# KiCad board ZVE.kicad_pcb
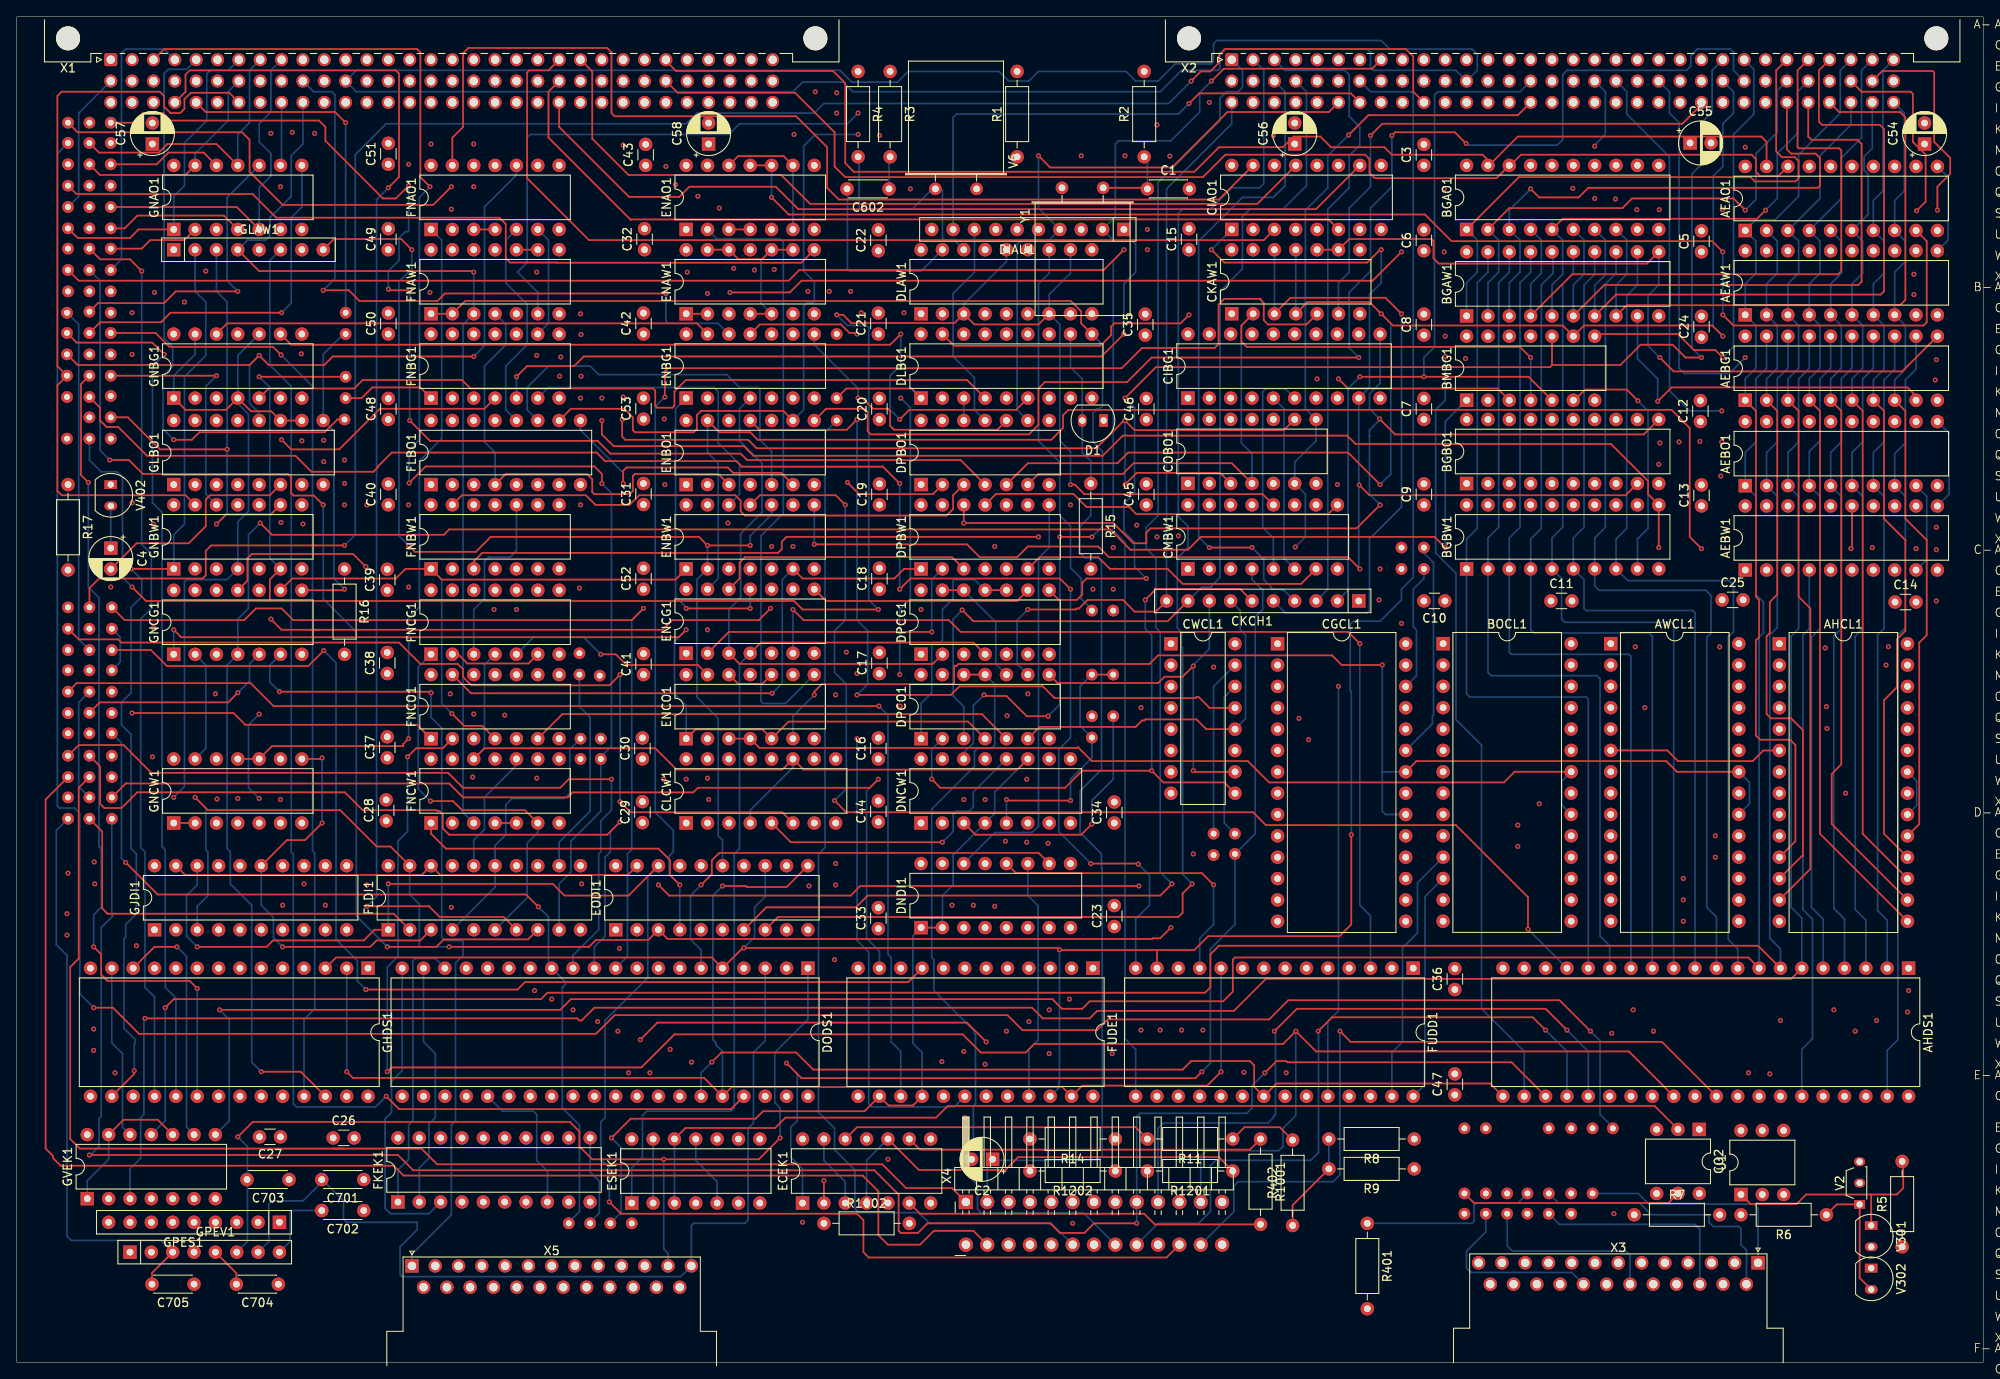
[diagram p0: board, top side]
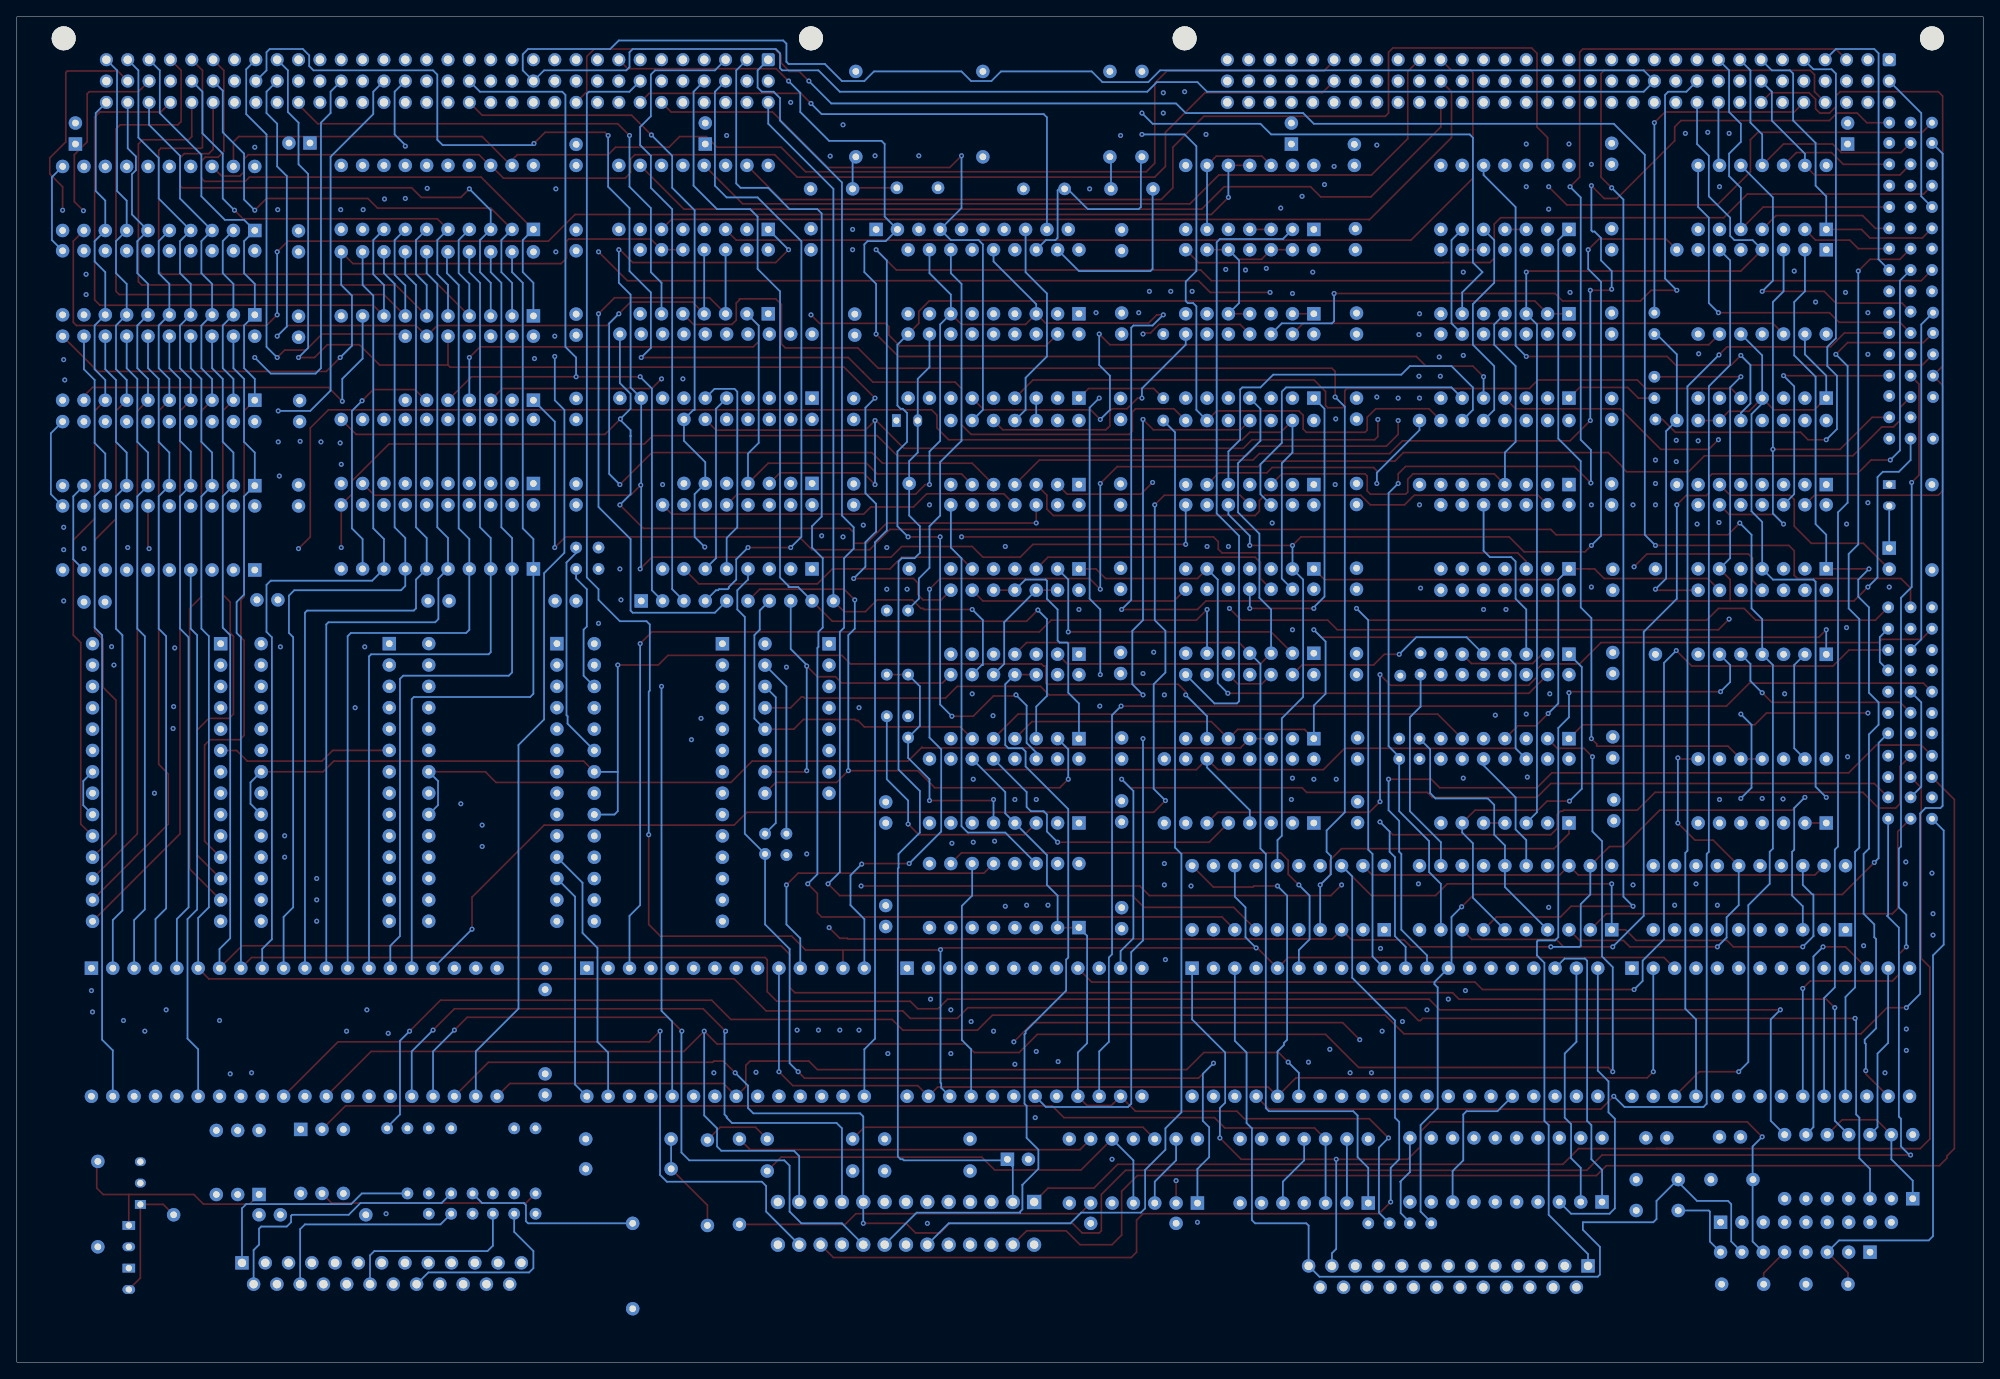
[diagram p1: board, bottom side, seen from below]

Outline 233.92 x 160.05 mm; copper layers: Top, In1.Cu, In2.Cu, In3.Cu, In4.Cu, Bottom. Coordinates in mm from the lower left corner of the outline.
Outline path: rectangle 0,160.05 233.92,0
Stack: dielectric 0mm FR4 er 4.5 / Top 0.035mm / dielectric 0.1mm FR4 er 4.5 / In1.Cu 0.035mm / dielectric 0.535mm FR4 er 4.5 / In2.Cu 0.035mm / dielectric 0.1mm FR4 er 4.5 / In3.Cu 0.035mm / dielectric 0.535mm FR4 er 4.5 / In4.Cu 0.035mm / dielectric 0.1mm FR4 er 4.5 / Bottom 0.035mm / dielectric 0mm FR4 er 4.5

## Placement (name value [footprint] x y rotation side)
AEAO1  ~  [DIP-20_W7.62mm]  205.61 134.63 90 top
AEAW1  ~  [DIP-20_W7.62mm]  205.61 124.6 90 top
AEBG1  ~  [DIP-20_W7.62mm]  205.61 114.44 90 top
AEBO1  ~  [DIP-20_W7.62mm]  205.61 104.28 90 top
AEBW1  ~  [DIP-20_W7.62mm]  205.61 94.24 90 top
AHCL1  ~  [DIP-28_W15.24mm]  209.67 85.47 0 top
AHDS1  ~  [DIP-40_W15.24mm]  225.04 46.87 270 top
AWCL1  ~  [DIP-28_W15.24mm]  189.61 85.48 0 top
BGAO1  ~  [DIP-20_W7.62mm]  172.47 134.76 90 top
BGAW1  ~  [DIP-20_W7.62mm]  172.47 124.47 90 top
BGBO1  ~  [DIP-20_W7.62mm]  172.47 104.53 90 top
BGBW1  ~  [DIP-20_W7.62mm]  172.47 94.37 90 top
BMBG1  7408  [DIP-14_W7.62mm]  172.47 114.44 90 top
BOCL1  ~  [DIP-28_W15.24mm]  169.67 85.48 0 top
C1  C  [C_Disc_D4.3mm_W1.9mm_P5.00mm]  134.49 139.58 0 top
C2  C_Polarized  [CP_Radial_D5.0mm_P2.50mm]  116.08 24.14 180 top
C3  C  [C_Disc_D3.0mm_W1.6mm_P2.50mm]  167.39 142.38 90 top
C4  C_Polarized  [CP_Radial_D5.0mm_P2.50mm]  11.18 96.85 270 top
C5  C  [C_Disc_D3.0mm_W1.6mm_P2.50mm]  200.41 132.09 90 top
C6  C  [C_Disc_D3.0mm_W1.6mm_P2.50mm]  167.39 132.22 90 top
C7  C  [C_Disc_D3.0mm_W1.6mm_P2.50mm]  167.39 112.15 90 top
C8  C  [C_Disc_D3.0mm_W1.6mm_P2.50mm]  167.39 122.18 90 top
C9  C  [C_Disc_D3.0mm_W1.6mm_P2.50mm]  167.39 101.99 90 top
C10  C  [C_Disc_D3.0mm_W1.6mm_P2.50mm]  169.89 90.56 180 top
C11  C  [C_Disc_D3.0mm_W1.6mm_P2.50mm]  182.5 90.56 0 top
C12  C  [C_Disc_D3.0mm_W1.6mm_P2.50mm]  200.28 111.9 90 top
C13  C  [C_Disc_D3.0mm_W1.6mm_P2.50mm]  200.41 101.86 90 top
C14  C  [C_Disc_D3.0mm_W1.6mm_P2.50mm]  223.43 90.43 0 top
C15  C  [C_Disc_D3.0mm_W1.6mm_P2.50mm]  139.45 132.34 90 top
C16  C  [C_Disc_D3.0mm_W1.6mm_P2.50mm]  102.49 71.76 90 top
C17  C  [C_Disc_D3.0mm_W1.6mm_P2.50mm]  102.62 81.92 90 top
C18  C  [C_Disc_D3.0mm_W1.6mm_P2.50mm]  102.62 91.96 90 top
C19  C  [C_Disc_D3.0mm_W1.6mm_P2.50mm]  102.62 101.99 90 top
C20  C  [C_Disc_D3.0mm_W1.6mm_P2.50mm]  102.62 112.15 90 top
C21  C  [C_Disc_D3.0mm_W1.6mm_P2.50mm]  102.49 122.31 90 top
C22  C  [C_Disc_D3.0mm_W1.6mm_P2.50mm]  102.49 132.22 90 top
C23  C  [C_Disc_D3.0mm_W1.6mm_P2.50mm]  130.56 51.83 90 top
C24  C  [C_Disc_D3.0mm_W1.6mm_P2.50mm]  200.41 121.93 90 top
C25  C  [C_Disc_D3.0mm_W1.6mm_P2.50mm]  202.86 90.69 0 top
C26  C  [C_Disc_D3.0mm_W1.6mm_P2.50mm]  37.63 26.68 0 top
C27  C  [C_Disc_D3.0mm_W1.6mm_P2.50mm]  31.37 26.81 180 top
C28  C  [C_Disc_D3.0mm_W1.6mm_P2.50mm]  43.94 64.4 90 top
C29  C  [C_Disc_D3.0mm_W1.6mm_P2.50mm]  74.42 64.18 90 top
C30  C  [C_Disc_D3.0mm_W1.6mm_P2.50mm]  74.42 71.76 90 top
C31  C  [C_Disc_D3.0mm_W1.6mm_P2.50mm]  74.55 102.03 90 top
C32  C  [C_Disc_D3.0mm_W1.6mm_P2.50mm]  74.68 132.34 90 top
C33  C  [C_Disc_D3.0mm_W1.6mm_P2.50mm]  102.49 51.57 90 top
C34  C  [C_Disc_D3.0mm_W1.6mm_P2.50mm]  130.56 64.14 90 top
C35  C  [C_Disc_D3.0mm_W1.6mm_P2.50mm]  134.24 122.18 90 top
C36  C  [C_Disc_D3.0mm_W1.6mm_P2.50mm]  171.07 44.33 90 top
C37  C  [C_Disc_D3.0mm_W1.6mm_P2.50mm]  44.07 71.89 90 top
C38  C  [C_Disc_D3.0mm_W1.6mm_P2.50mm]  44.07 81.92 90 top
C39  C  [C_Disc_D3.0mm_W1.6mm_P2.50mm]  44.07 91.83 90 top
C40  C  [C_Disc_D3.0mm_W1.6mm_P2.50mm]  44.2 101.99 90 top
C41  C  [C_Disc_D3.0mm_W1.6mm_P2.50mm]  74.55 81.8 90 top
C42  C  [C_Disc_D3.0mm_W1.6mm_P2.50mm]  74.55 122.31 90 top
C43  C  [C_Disc_D3.0mm_W1.6mm_P2.50mm]  74.8 142.38 90 top
C44  C  [C_Disc_D3.0mm_W1.6mm_P2.50mm]  102.49 64.27 90 top
C45  C  [C_Disc_D3.0mm_W1.6mm_P2.50mm]  134.37 101.99 90 top
C46  C  [C_Disc_D3.0mm_W1.6mm_P2.50mm]  134.37 112.15 90 top
C47  C  [C_Disc_D3.0mm_W1.6mm_P2.50mm]  171.07 31.8 90 top
C48  C  [C_Disc_D3.0mm_W1.6mm_P2.50mm]  44.2 112.15 90 top
C49  C  [C_Disc_D3.0mm_W1.6mm_P2.50mm]  44.2 132.34 90 top
C50  C  [C_Disc_D3.0mm_W1.6mm_P2.50mm]  44.2 122.31 90 top
C51  C  [C_Disc_D3.0mm_W1.6mm_P2.50mm]  44.2 142.5 90 top
C52  C  [C_Disc_D3.0mm_W1.6mm_P2.50mm]  74.55 91.96 90 top
C53  C  [C_Disc_D3.0mm_W1.6mm_P2.50mm]  74.55 112.19 90 top
C54  C_Polarized  [CP_Radial_D5.0mm_P2.50mm]  226.95 144.92 90 top
C55  C_Polarized  [CP_Radial_D5.0mm_P2.50mm]  199.05 145.04 0 top
C56  C_Polarized  [CP_Radial_D5.0mm_P2.50mm]  152.02 144.92 90 top
C57  C_Polarized  [CP_Radial_D5.0mm_P2.50mm]  16.13 144.92 90 top
C58  C_Polarized  [CP_Radial_D5.0mm_P2.50mm]  82.3 144.92 90 top
C602  C  [C_Disc_D4.3mm_W1.9mm_P5.00mm]  103.76 139.58 180 top
C701  C  [C_Disc_D4.3mm_W1.9mm_P5.00mm]  41.28 21.73 180 top
C702  C  [C_Disc_D4.3mm_W1.9mm_P5.00mm]  41.28 18.04 180 top
C703  C  [C_Disc_D4.3mm_W1.9mm_P5.00mm]  32.39 21.73 180 top
C704  C  [C_Disc_D4.3mm_W1.9mm_P5.00mm]  31.11 9.28 180 top
C705  C  [C_Disc_D4.3mm_W1.9mm_P5.00mm]  21.08 9.28 180 top
CGCL1  ~  [DIP-28_W15.24mm]  149.98 85.47 0 top
CIAO1  ~  [DIP-16_W7.62mm]  144.53 134.76 90 top
CIBG1  ~  [DIP-20_W7.62mm]  139.32 114.69 90 top
CKAW1  7451  [DIP-14_W7.62mm]  144.53 124.72 90 top
CKCH1  R_Network09_Split  [R_Array_SIP10]  159.64 90.56 180 top
CLCW1  ~  [DIP-16_W7.62mm]  79.63 64.14 90 top
CMBW1  7423  [DIP-16_W7.62mm]  139.32 94.37 90 top
CO2  ~  [DIP-6_W7.62mm]  200.15 27.7 270 top
COBO1  74125  [DIP-14_W7.62mm]  139.32 104.54 90 top
CWCL1  ~  [DIP-16_W7.62mm]  137.3 85.47 0 top
D1  D  [TO-92-2]  129.29 112.02 180 top
DIAU1  R_Network09_Split  [R_Array_SIP10]  131.7 134.76 180 top
DLAW1  ~  [DIP-18_W7.62mm]  107.57 124.72 90 top
DLBG1  ~  [DIP-18_W7.62mm]  107.57 114.69 90 top
DNCW1  ~  [DIP-16_W7.62mm]  107.57 64.14 90 top
DNDI1  ~  [DIP-16_W7.62mm]  107.57 51.7 90 top
DODS1  ~  [DIP-40_W15.24mm]  94.11 46.87 270 top
DPBO1  7404  [DIP-14_W7.62mm]  107.57 104.4 90 top
DPBW1  7430  [DIP-14_W7.62mm]  107.57 94.37 90 top
DPCG1  7451  [DIP-14_W7.62mm]  107.57 84.22 90 top
DPCO1  7402  [DIP-14_W7.62mm]  107.57 74.18 90 top
ECEK1  75450  [DIP-14_W7.62mm]  93.47 18.93 90 top
ENAO1  7400  [DIP-14_W7.62mm]  79.63 134.76 90 top
ENAW1  74140  [DIP-14_W7.62mm]  79.63 124.72 90 top
ENBG1  7402  [DIP-14_W7.62mm]  79.63 114.69 90 top
ENBO1  7400  [DIP-14_W7.62mm]  79.63 104.4 90 top
ENBW1  7408  [DIP-14_W7.62mm]  79.63 94.37 90 top
ENCG1  7404  [DIP-14_W7.62mm]  79.63 84.34 90 top
ENCO1  7400  [DIP-14_W7.62mm]  79.63 74.18 90 top
EODI1  ~  [DIP-20_W7.62mm]  71.25 51.44 90 top
ESEK1  75450  [DIP-14_W7.62mm]  73.15 18.93 90 top
FKEK1  ~  [DIP-20_W7.62mm]  45.34 19.06 90 top
FLBO1  ~  [DIP-16_W7.62mm]  49.28 104.4 90 top
FLDI1  ~  [DIP-20_W7.62mm]  44.2 51.44 90 top
FNAO1  7400  [DIP-14_W7.62mm]  49.28 134.76 90 top
FNAW1  7438  [DIP-14_W7.62mm]  49.28 124.72 90 top
FNBG1  7420  [DIP-14_W7.62mm]  49.28 114.69 90 top
FNBW1  7402  [DIP-14_W7.62mm]  49.28 94.38 90 top
FNCG1  7474  [DIP-14_W7.62mm]  49.28 84.22 90 top
FNCO1  7410  [DIP-14_W7.62mm]  49.28 74.18 90 top
FNCW1  7404  [DIP-14_W7.62mm]  49.28 64.14 90 top
FUDD1  ~  [DIP-28_W15.24mm]  166.12 46.87 270 top
FUDE1  ~  [DIP-24_W15.24mm]  128.02 46.87 270 top
GHDS1  ~  [DIP-28_W15.24mm]  41.78 46.87 270 top
GJDI1  ~  [DIP-20_W7.62mm]  16.38 51.44 90 top
GLAW1  R_Network07_Split  [R_Array_SIP8]  18.67 132.34 0 top
GLBO1  74123  [DIP-16_W7.62mm]  18.67 104.4 90 top
GNAO1  7404  [DIP-14_W7.62mm]  18.67 134.76 90 top
GNBG1  7474  [DIP-14_W7.62mm]  18.67 114.69 90 top
GNBW1  7404  [DIP-14_W7.62mm]  18.67 94.38 90 top
GNCG1  7404  [DIP-14_W7.62mm]  18.67 84.21 90 top
GNCW1  7408  [DIP-14_W7.62mm]  18.67 64.14 90 top
GPES1  R_Network08_Split  [R_Array_SIP9]  31.24 16.65 180 top
GPEV1  R_Network07_Split  [R_Array_SIP8]  13.46 13.09 0 top
GVEK1  74125  [DIP-14_W7.62mm]  8.38 19.45 90 top
R1  R  [R_Axial_DIN0207_L6.3mm_D2.5mm_P10.16mm_Horizontal]  119 143.39 90 top
R2  R  [R_Axial_DIN0207_L6.3mm_D2.5mm_P10.16mm_Horizontal]  134.11 143.39 90 top
R3  R  [R_Axial_DIN0207_L6.3mm_D2.5mm_P10.16mm_Horizontal]  103.89 153.55 270 top
R4  R  [R_Axial_DIN0207_L6.3mm_D2.5mm_P10.16mm_Horizontal]  100.08 153.55 270 top
R5  R  [R_Axial_DIN0207_L6.3mm_D2.5mm_P10.16mm_Horizontal]  224.28 13.73 90 top
R6  R  [R_Axial_DIN0207_L6.3mm_D2.5mm_P10.16mm_Horizontal]  215.26 17.54 180 top
R7  R  [R_Axial_DIN0207_L6.3mm_D2.5mm_P10.16mm_Horizontal]  192.4 17.54 0 top
R8  R  [R_Axial_DIN0207_L6.3mm_D2.5mm_P10.16mm_Horizontal]  166.24 26.55 180 top
R9  R  [R_Axial_DIN0207_L6.3mm_D2.5mm_P10.16mm_Horizontal]  166.24 23 180 top
R11  R  [R_Axial_DIN0207_L6.3mm_D2.5mm_P10.16mm_Horizontal]  144.65 26.55 180 top
R14  R  [R_Axial_DIN0207_L6.3mm_D2.5mm_P10.16mm_Horizontal]  130.68 26.55 180 top
R15  R  [R_Axial_DIN0207_L6.3mm_D2.5mm_P10.16mm_Horizontal]  127.76 104.53 270 top
R16  R  [R_Axial_DIN0207_L6.3mm_D2.5mm_P10.16mm_Horizontal]  38.99 94.37 270 top
R17  R  [R_Axial_DIN0207_L6.3mm_D2.5mm_P10.16mm_Horizontal]  6.1 104.4 270 top
R401  R  [R_Axial_DIN0207_L6.3mm_D2.5mm_P10.16mm_Horizontal]  160.65 16.52 270 top
R402  R  [R_Axial_DIN0207_L6.3mm_D2.5mm_P10.16mm_Horizontal]  151.76 16.27 90 top
R1001  R  [R_Axial_DIN0207_L6.3mm_D2.5mm_P10.16mm_Horizontal]  147.95 26.55 270 top
R1002  R  [R_Axial_DIN0207_L6.3mm_D2.5mm_P10.16mm_Horizontal]  96.01 16.52 0 top
R1201  R  [R_Axial_DIN0207_L6.3mm_D2.5mm_P10.16mm_Horizontal]  144.65 22.74 180 top
R1202  R  [R_Axial_DIN0207_L6.3mm_D2.5mm_P10.16mm_Horizontal]  130.68 22.74 180 top
S1X1  ~  [Pin_D1.0mm_L10.0mm]  130.43 89.42 0 top
S1X3  ~  [Pin_D1.0mm_L10.0mm]  127.89 89.42 0 top
U1  ~  [DIP-6_W7.62mm]  205.11 19.95 90 top
V2  2N3904  [TO-92S_Wide]  219.22 18.77 90 top
V6  Crystal  [Crystal_HC18-U_Horizontal]  114.17 139.58 180 top
V301  D  [TO-92-2]  220.6 16.27 270 top
V302  D  [TO-92-2]  220.6 11.19 270 top
V402  D  [TO-92-2]  11.18 104.4 270 top
W101A1  ~  [Pin_D1.0mm_L10.0mm]  179.7 17.66 0 top
W101B1  ~  [Pin_D1.0mm_L10.0mm]  179.7 20.08 0 top
W102A1  ~  [Pin_D1.0mm_L10.0mm]  177.29 20.08 0 top
W102B1  ~  [Pin_D1.0mm_L10.0mm]  177.29 17.66 0 top
W103A1  ~  [Pin_D1.0mm_L10.0mm]  127.89 74.3 0 top
W103B1  ~  [Pin_D1.0mm_L10.0mm]  127.89 76.84 0 top
W103C1  ~  [Pin_D1.0mm_L10.0mm]  130.43 76.84 0 top
X1  DIN41612_03x32_ABC  [DIN41612_C_3x32_Male_Horizontal_THT]  11.18 154.95 0 top
X2  DIN41612_03x32_ABC  [DIN41612_C_3x32_Male_Horizontal_THT]  144.53 154.95 0 top
X3  DB25_Plug  [DSUB-25_Female_Horizontal_P2.77x2.54mm_EdgePinOffset9.40mm]  207.14 11.82 0 top
X4  Conn_02x13_Row_Letter_First  [PinHeader_2x13_P2.54mm_Horizontal]  112.9 16.52 90 top
X5  DB25_Plug  [DSUB-25_Male_Horizontal_P2.77x2.54mm_EdgePinOffset9.40mm]  47.01 11.46 0 top
X701  ~  [Pin_D1.0mm_L10.0mm]  187.45 27.82 0 top
X702  ~  [Pin_D1.0mm_L10.0mm]  187.45 20.08 0 top
X703  ~  [Pin_D1.0mm_L10.0mm]  184.91 27.82 0 top
X704  ~  [Pin_D1.0mm_L10.0mm]  184.91 20.08 0 top
X705  ~  [Pin_D1.0mm_L10.0mm]  184.91 17.66 0 top
X706  ~  [Pin_D1.0mm_L10.0mm]  182.25 27.82 0 top
X707  ~  [Pin_D1.0mm_L10.0mm]  182.25 20.08 0 top
X708  ~  [Pin_D1.0mm_L10.0mm]  182.25 17.66 0 top
X709  ~  [Pin_D1.0mm_L10.0mm]  174.75 27.82 0 top
X710  ~  [Pin_D1.0mm_L10.0mm]  174.75 20.08 0 top
X711  ~  [Pin_D1.0mm_L10.0mm]  174.75 17.66 0 top
X712  ~  [Pin_D1.0mm_L10.0mm]  172.21 27.82 0 top
X713  ~  [Pin_D1.0mm_L10.0mm]  172.21 20.08 0 top
X714  ~  [Pin_D1.0mm_L10.0mm]  172.21 17.66 0 top
X715  ~  [Pin_D1.0mm_L10.0mm]  167.39 96.91 0 top
X716  ~  [Pin_D1.0mm_L10.0mm]  167.39 94.37 0 top
X717  ~  [Pin_D1.0mm_L10.0mm]  164.72 96.91 0 top
X718  ~  [Pin_D1.0mm_L10.0mm]  164.72 94.37 0 top
X720  ~  [Pin_D1.0mm_L10.0mm]  144.91 62.87 0 top
X721  ~  [Pin_D1.0mm_L10.0mm]  144.91 60.46 0 top
X722  ~  [Pin_D1.0mm_L10.0mm]  142.37 62.87 0 top
X723  ~  [Pin_D1.0mm_L10.0mm]  142.37 60.33 0 top
X726  ~  [Pin_D1.0mm_L10.0mm]  97.54 122.31 0 top
X727  ~  [Pin_D1.0mm_L10.0mm]  97.54 114.69 0 top
X728  ~  [Pin_D1.0mm_L10.0mm]  97.54 112.02 0 top
X729  ~  [Pin_D1.0mm_L10.0mm]  73.15 16.52 0 top
X730  ~  [Pin_D1.0mm_L10.0mm]  70.61 16.52 0 top
X731  ~  [Pin_D1.0mm_L10.0mm]  68.2 16.52 0 top
X732  ~  [Pin_D1.0mm_L10.0mm]  65.66 16.52 0 top
X733  ~  [Pin_D1.0mm_L10.0mm]  69.34 81.67 0 top
X734  ~  [Pin_D1.0mm_L10.0mm]  66.93 84.34 0 top
X735  ~  [Pin_D1.0mm_L10.0mm]  66.93 81.8 0 top
X736  ~  [Pin_D1.0mm_L10.0mm]  69.47 74.18 0 top
X737  ~  [Pin_D1.0mm_L10.0mm]  69.47 71.76 0 top
X738  ~  [Pin_D1.0mm_L10.0mm]  67.06 74.18 0 top
X739  ~  [Pin_D1.0mm_L10.0mm]  67.06 71.76 0 top
X740  ~  [Pin_D1.0mm_L10.0mm]  39.12 124.85 0 top
X741  ~  [Pin_D1.0mm_L10.0mm]  39.12 122.31 0 top
X742  ~  [Pin_D1.0mm_L10.0mm]  39.12 117.23 0 top
X743  ~  [Pin_D1.0mm_L10.0mm]  39.12 114.69 0 top
X744  ~  [Pin_D1.0mm_L10.0mm]  38.99 112.15 0 top
X801  ~  [Pin_D1.0mm_L10.0mm]  11.18 147.46 0 top
X802  ~  [Pin_D1.0mm_L10.0mm]  11.18 145.04 0 top
X803  ~  [Pin_D1.0mm_L10.0mm]  11.18 142.5 0 top
X804  ~  [Pin_D1.0mm_L10.0mm]  11.18 139.96 0 top
X805  ~  [Pin_D1.0mm_L10.0mm]  11.18 137.42 0 top
X806  ~  [Pin_D1.0mm_L10.0mm]  11.18 134.88 0 top
X807  ~  [Pin_D1.0mm_L10.0mm]  11.18 132.47 0 top
X808  ~  [Pin_D1.0mm_L10.0mm]  11.18 129.93 0 top
X809  ~  [Pin_D1.0mm_L10.0mm]  11.18 127.39 0 top
X810  ~  [Pin_D1.0mm_L10.0mm]  11.18 124.85 0 top
X811  ~  [Pin_D1.0mm_L10.0mm]  11.18 122.44 0 top
X812  ~  [Pin_D1.0mm_L10.0mm]  11.18 119.9 0 top
X813  ~  [Pin_D1.0mm_L10.0mm]  11.18 117.36 0 top
X814  ~  [Pin_D1.0mm_L10.0mm]  11.18 114.94 0 top
X815  ~  [Pin_D1.0mm_L10.0mm]  11.18 112.4 0 top
X816  ~  [Pin_D1.0mm_L10.0mm]  11.18 109.86 0 top
X817  ~  [Pin_D1.0mm_L10.0mm]  8.64 147.46 0 top
X818  ~  [Pin_D1.0mm_L10.0mm]  8.64 145.04 0 top
X819  ~  [Pin_D1.0mm_L10.0mm]  8.64 142.5 0 top
X820  ~  [Pin_D1.0mm_L10.0mm]  8.64 139.96 0 top
X821  ~  [Pin_D1.0mm_L10.0mm]  8.64 137.42 0 top
X822  ~  [Pin_D1.0mm_L10.0mm]  8.64 134.88 0 top
X823  ~  [Pin_D1.0mm_L10.0mm]  8.64 132.47 0 top
X824  ~  [Pin_D1.0mm_L10.0mm]  8.64 129.93 0 top
X825  ~  [Pin_D1.0mm_L10.0mm]  8.64 127.39 0 top
X826  ~  [Pin_D1.0mm_L10.0mm]  8.64 124.98 0 top
X827  ~  [Pin_D1.0mm_L10.0mm]  8.64 122.44 0 top
X828  ~  [Pin_D1.0mm_L10.0mm]  8.64 119.9 0 top
X829  ~  [Pin_D1.0mm_L10.0mm]  8.64 117.36 0 top
X830  ~  [Pin_D1.0mm_L10.0mm]  8.64 114.82 0 top
X831  ~  [Pin_D1.0mm_L10.0mm]  8.64 112.4 0 top
X832  ~  [Pin_D1.0mm_L10.0mm]  8.64 109.86 0 top
X833  ~  [Pin_D1.0mm_L10.0mm]  6.1 147.46 0 top
X834  ~  [Pin_D1.0mm_L10.0mm]  6.1 145.04 0 top
X835  ~  [Pin_D1.0mm_L10.0mm]  6.1 142.5 0 top
X836  ~  [Pin_D1.0mm_L10.0mm]  6.1 139.96 0 top
X837  ~  [Pin_D1.0mm_L10.0mm]  6.1 137.42 0 top
X838  ~  [Pin_D1.0mm_L10.0mm]  6.1 134.88 0 top
X839  ~  [Pin_D1.0mm_L10.0mm]  6.1 132.47 0 top
X840  ~  [Pin_D1.0mm_L10.0mm]  6.1 129.93 0 top
X841  ~  [Pin_D1.0mm_L10.0mm]  6.1 127.39 0 top
X842  ~  [Pin_D1.0mm_L10.0mm]  5.97 124.85 0 top
X843  ~  [Pin_D1.0mm_L10.0mm]  5.97 122.44 0 top
X844  ~  [Pin_D1.0mm_L10.0mm]  5.97 119.9 0 top
X845  ~  [Pin_D1.0mm_L10.0mm]  5.97 117.36 0 top
X846  ~  [Pin_D1.0mm_L10.0mm]  5.97 114.82 0 top
X848  ~  [Pin_D1.0mm_L10.0mm]  5.97 109.86 0 top
X901  ~  [Pin_D1.0mm_L10.0mm]  11.3 89.8 0 top
X903  ~  [Pin_D1.0mm_L10.0mm]  11.3 84.72 0 top
X904  ~  [Pin_D1.0mm_L10.0mm]  11.3 82.31 0 top
X905  ~  [Pin_D1.0mm_L10.0mm]  11.3 79.77 0 top
X906  ~  [Pin_D1.0mm_L10.0mm]  11.3 77.23 0 top
X907  ~  [Pin_D1.0mm_L10.0mm]  11.3 74.81 0 top
X908  ~  [Pin_D1.0mm_L10.0mm]  11.3 72.15 0 top
X909  ~  [Pin_D1.0mm_L10.0mm]  11.3 69.61 0 top
X910  ~  [Pin_D1.0mm_L10.0mm]  11.3 67.19 0 top
X911  ~  [Pin_D1.0mm_L10.0mm]  11.3 64.65 0 top
X912  ~  [Pin_D1.0mm_L10.0mm]  8.64 89.8 0 top
X912a1  ~  [Pin_D1.0mm_L10.0mm]  11.3 87.26 0 top
X913  ~  [Pin_D1.0mm_L10.0mm]  8.64 87.26 0 top
X914  ~  [Pin_D1.0mm_L10.0mm]  8.64 84.72 0 top
X915  ~  [Pin_D1.0mm_L10.0mm]  8.64 82.31 0 top
X916  ~  [Pin_D1.0mm_L10.0mm]  8.64 79.77 0 top
X917  ~  [Pin_D1.0mm_L10.0mm]  8.64 77.26 0 top
X918  ~  [Pin_D1.0mm_L10.0mm]  8.64 74.81 0 top
X919  ~  [Pin_D1.0mm_L10.0mm]  8.64 72.15 0 top
X920  ~  [Pin_D1.0mm_L10.0mm]  8.64 69.61 0 top
X921  ~  [Pin_D1.0mm_L10.0mm]  8.64 67.19 0 top
X922  ~  [Pin_D1.0mm_L10.0mm]  8.64 64.65 0 top
X923  ~  [Pin_D1.0mm_L10.0mm]  6.1 89.8 0 top
X924  ~  [Pin_D1.0mm_L10.0mm]  6.1 87.26 0 top
X925  ~  [Pin_D1.0mm_L10.0mm]  6.1 84.72 0 top
X926  ~  [Pin_D1.0mm_L10.0mm]  6.1 82.31 0 top
X927  ~  [Pin_D1.0mm_L10.0mm]  6.1 79.77 0 top
X928  ~  [Pin_D1.0mm_L10.0mm]  6.1 77.23 0 top
X929  ~  [Pin_D1.0mm_L10.0mm]  6.1 74.81 0 top
X930  ~  [Pin_D1.0mm_L10.0mm]  6.1 72.15 0 top
X931  ~  [Pin_D1.0mm_L10.0mm]  6.1 69.61 0 top
X932  ~  [Pin_D1.0mm_L10.0mm]  6.1 67.19 0 top
X933  ~  [Pin_D1.0mm_L10.0mm]  6.1 64.65 0 top
X10000  ~  [Pin_D1.0mm_L10.0mm]  189.87 27.82 0 top
XS1X2  ~  [Pin_D1.0mm_L10.0mm]  127.89 81.8 0 top
XS1X4  ~  [Pin_D1.0mm_L10.0mm]  130.43 81.8 0 top
Y1  Crystal  [Crystal_HC18-U_Horizontal]  124.33 139.71 0 top

## Library data of the parts
C1 C3 C5-C53 C602 C701-C705 = -: Description: Unpolarized capacitor; ki_fp_filters: C_*
C2 C4 C54-C58 = -: Description: Polarized capacitor; ki_fp_filters: CP_*
CKCH1 DIAU1 = -: Datasheet: http://www.vishay.com/docs/31509/csc.pdf; Description: 9 resistor network, star topology, bussed resistors, split; ki_fp_filters: R?Array?SIP*
D1 V301 V302 V402 = -: Description: Diode; Sim.Pins: 1=K 2=A; ki_fp_filters: TO-???* *_Diode_* *SingleDiode* D_*
GLAW1 GPEV1 = -: Datasheet: http://www.vishay.com/docs/31509/csc.pdf; Description: 7 resistor network, star topology, bussed resistors, split; ki_fp_filters: R?Array?SIP*
GPES1 = -: Datasheet: http://www.vishay.com/docs/31509/csc.pdf; Description: 8 resistor network, star topology, bussed resistors, split; ki_fp_filters: R?Array?SIP*
R1-R9 R11 R14-R17 R401 R402 R1001 R1002 R1201 R1202 = -: Description: Resistor; ki_fp_filters: R_*
S1X1 S1X3 W101A1 W101B1 W102A1 W102B1 W103A1 W103B1 W103C1 X701-X718 X720-X723 X726-X744 X801-X846 X848 X901 X903-X912 X912a1 X913-X933 X10000 XS1X2 XS1X4 = -: Description: Generic connector, single row, 01x01, script generated (kicad-library-utils/schlib/autogen/connector/); ki_fp_filters: Connector*:*_1x??_*
V2 = -: Datasheet: https://www.onsemi.com/pub/Collateral/2N3903-D.PDF; Description: 0.2A Ic, 40V Vce, Small Signal NPN Transistor, TO-92; ki_fp_filters: TO?92*
V6 Y1 = -: Description: Two pin crystal; ki_fp_filters: Crystal*
X1 X2 = -: Description: DIN41612 connector, double row (AB), 02x32, script generated (kicad-library-utils/schlib/autogen/connector/); ki_fp_filters: DIN41612*2x*
X3 X5 = -: Description: 25-pin male plug pin D-SUB connector; ki_fp_filters: DSUB*Male*
X4 = -: Description: Generic connector, double row, 02x13, row letter first pin numbering scheme (pin number consists of a letter for the row and a number for the pin index in this row. a1, ..., aN; b1, ..., bN), script generated (kicad-library-utils/schlib/autogen/connector/); ki_fp_filters: Connector*:*_2x??_*
